# Altium PCB TE0890.PcbDoc (part 1 of 2) (continued)
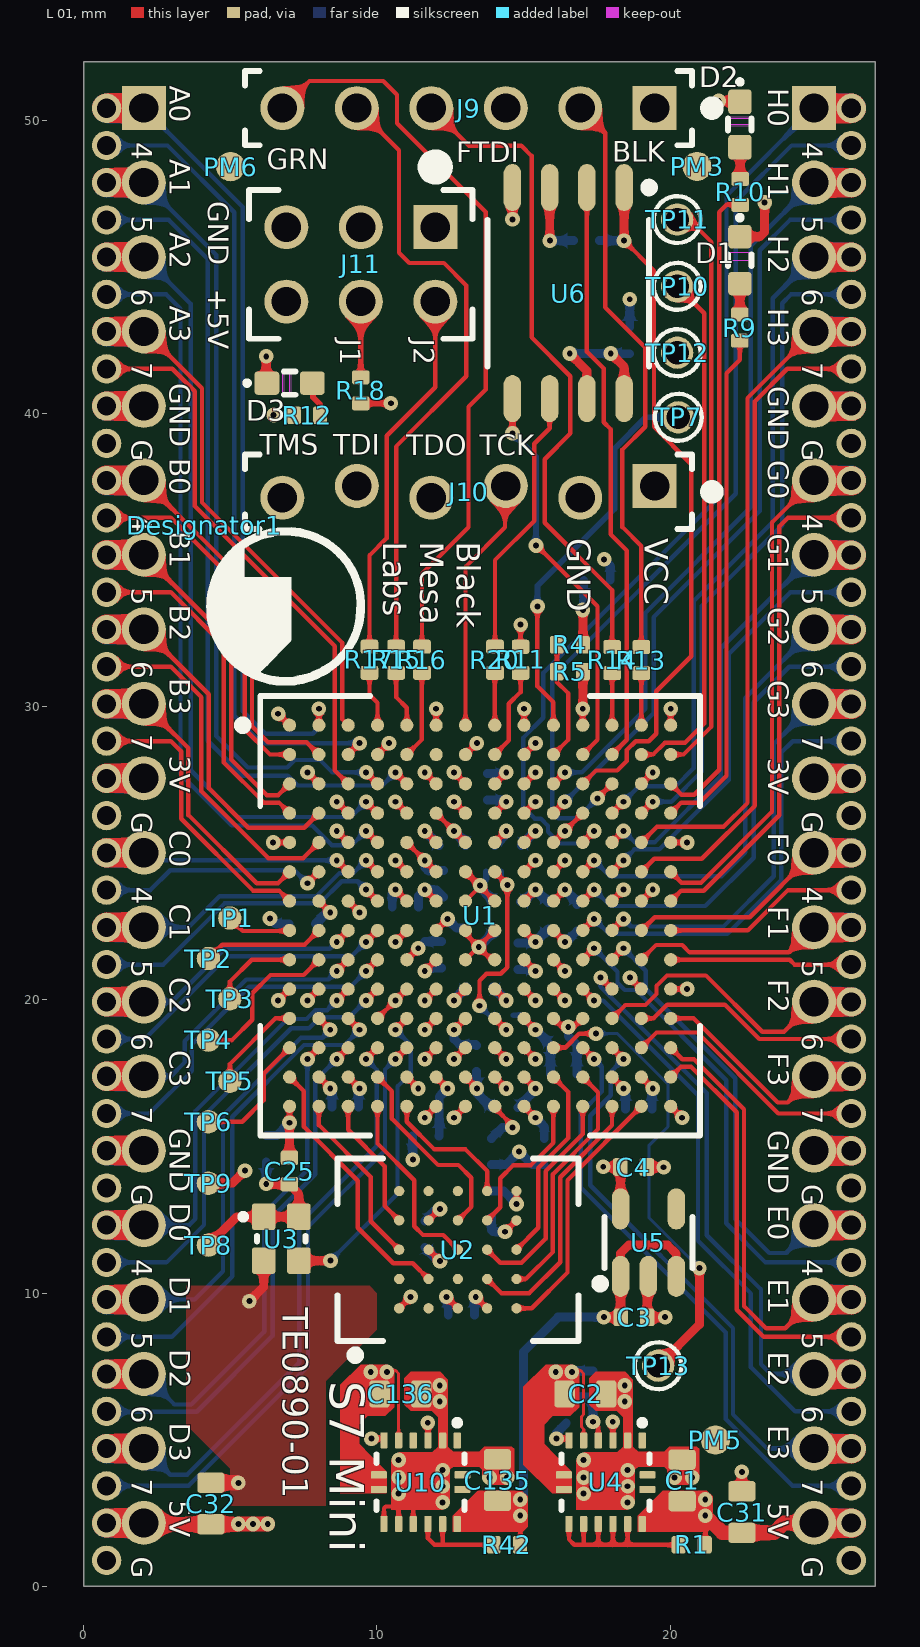
[diagram p0: L 01 view]
## Design rules (kind name [scope] priority, off if disabled: settings) (continued)
PolygonConnect [All] p5: connectstyle=Relief reliefconductorwidth=0.2 reliefentries=4 polygonreliefangle="90 Angle" airgapwidth=0.2
RoutingLayers "RoutingLayers_impedance control" [(InDifferentialPairClass('All Differential Pairs') OR InNetClass('D100-15') OR InNetClass('D100-25') OR InNetClass('D100-33') OR InNetClass('S50') OR InNetClass('S50-25') OR InNetClass('S50-33') OR InNetClass('S60-15'))] p1: top layer_v5=TRUE mid layer 1_v5=TRUE mid layer 2_v5=TRUE mid layer 3_v5=TRUE mid layer 6_v5=TRUE bottom layer_v5=TRUE
RoutingLayers [All] p2: top layer_v5=TRUE mid layer 1_v5=TRUE mid layer 2_v5=TRUE mid layer 3_v5=TRUE mid layer 6_v5=TRUE bottom layer_v5=TRUE
RoutingVias [All] p1: holewidth=0.2 width=0.5 viastyle="Through Hole" minholewidth=0.2 minwidth=0.5 maxholewidth=1 maxwidth=1.5
SMDNeckDown SMDNeckDown_80% [All] p1: percent=95.000
SMDToPlane [All] p1: distance=39370
SilkToBoardRegionClearance [All] p1 off:
SilkToSilkClearance [All] p1: silktosilkclearance=0.01
SilkToSolderMaskClearance SilkscreenOverComponentPads [IsPad] p1: minsilkscreentomaskgap=0.01 clearancetoexposedcopper=TRUE
SolderMaskExpansion SolderMaskExpansion_Via [IsVia] p1: expansion=-0.15
SolderMaskExpansion [All] p2: expansion=0
Width Width_S40 [InNetClass('DDR_S40')] p1: maxlimit=0.254 minlimit=0.1 preferedwidth=0.254 toplayer_maxwidth=0.15 toplayer_prefwidth=0.15 midlayer1_maxwidth=0.18 midlayer1_prefwidth=0.18 midlayer2_minwidth=0.15 midlayer3_minwidth=0.15 midlayer6_minwidth=0.15 bottomlayer_maxwidth=0.15 bottomlayer_prefwidth=0.15 minimp=50.000000 maximp=50.000000 favimp=50.000000
Width Logo [(InComponent('LOGO*'))] p2: maxlimit=0.254 minlimit=0.001 preferedwidth=0.254 // Protel DXP Scope 1 Expression Was: (InComponent('LOGO?'))
Width All [All] p3: maxlimit=3 minlimit=0.1 preferedwidth=0.2 toplayer_prefwidth=0.1 midlayer1_prefwidth=0.1 midlayer2_prefwidth=0.1 midlayer6_prefwidth=0.1 bottomlayer_prefwidth=0.1 minimp=50.000000 maximp=50.000000 favimp=50.000000
13 further rules are at their usual default settings.

## Classes and differential pairs
net class DIP80: PORT_A0 PORT_A1 PORT_A2 PORT_A3 PORT_A4 PORT_A5 PORT_A6 PORT_A7 PORT_B0 PORT_B1 PORT_B2 PORT_B3 PORT_B4 PORT_B5 PORT_B6 PORT_B7 PORT_C0 PORT_C1 PORT_C2 PORT_C3 PORT_C4 PORT_C5 PORT_C6 PORT_C7 PORT_D0 PORT_D1 PORT_D2 PORT_D3 PORT_D4 PORT_D5 PORT_D6 PORT_D7 PORT_E0 PORT_E1 PORT_E2 PORT_E3 PORT_E4 PORT_E5 PORT_E6 PORT_E7 PORT_F0 PORT_F1 PORT_F2 PORT_F3 PORT_F4 PORT_F5 PORT_F6 PORT_F7 PORT_G0 PORT_G1 PORT_G2 PORT_G3 PORT_G4 PORT_G5 PORT_G6 PORT_G7 PORT_H0 PORT_H1 PORT_H2 PORT_H3 PORT_H4 PORT_H5 PORT_H6 PORT_H7
net class DIP40: PORT_A0 PORT_A1 PORT_A2 PORT_A3 PORT_B0 PORT_B1 PORT_B2 PORT_B3 PORT_C0 PORT_C1 PORT_C2 PORT_C3 PORT_D0 PORT_D1 PORT_D2 PORT_D3 PORT_E0 PORT_E1 PORT_E2 PORT_E3 PORT_F0 PORT_F1 PORT_F2 PORT_F3 PORT_G0 PORT_G1 PORT_G2 PORT_G3 PORT_H0 PORT_H1 PORT_H2 PORT_H3
component class Flash_RAM: C26 C27 C28 C29 R19 R20 U2 U6
component class FPGA: C30 R4 R5 TP7 TP13 U1 U3
component class A-Headers: D1 D2 D3 J1 J2 J3 J4 J9 J10 J11 Jx R9 R10 R12 R13 R14 R15 R16 R17 R18 TP1 TP2 TP3 TP4 TP5 TP6 TP8 TP9 TP10 TP11 TP12
component class TE0890: PM1 PM2 PM3 PM4 PM5 PM6 Serial
component class PowerSupply: C1 C2 C3 C4 C31 C32 C135 C136 R1 R2 R3 R42 U4 U5 U10
component class FPGA_MISC: C5 C6 C7 C8 C9 C10 C11 C12 C13 C14 C15 C16 C17 C18 C19 C20 C21 C22 C23 C24 C25 C33 L1 R6 R7 R8 R11

## Components (designator, comment, footprint, x,y, rotation, side; value= is the part's Value field where it differs from the comment)
C1 "10µF" CAPC1608X90N 20.41,3.61 r270 top value=10u
C2 "10µF" CAPC1608X90N 17.11,6.56 r180 top value=10u
C3 "1µF" CAPC1005X55N 18.77,9.17 r0 top value=1u
C4 "1µF" CAPC1005X55N 18.75,14.3 r0 top value=1u
C5 "1µF" CAPC1005X55N 13.5,22.45 r0 bottom value=1u
C6 "1µF" CAPC1005X55N 15.85,22.875 r270 bottom value=1u
C7 "100nF" CAPC1005X55N 13.51,20.44 r180 bottom value=100n
C8 "100nF" CAPC1005X55N 14.81,21.49 r90 bottom value=100n
C9 "100nF" CAPC1005X55N 12.2,21.54 r270 bottom value=100n
C10 "100nF" CAPC1005X55N 10.97,23.16 r0 bottom value=100n
C11 "100nF" CAPC1005X55N 12.28,23.96 r270 bottom value=100n
C12 "100nF" CAPC1005X55N 12.57,25.27 r180 bottom value=100n
C13 "100nF" CAPC1005X55N 14.45,23.35 r180 bottom value=100n
C14 "100nF" CAPC1005X55N 14.47,25.27 r180 bottom value=100n
C15 "100nF" CAPC1005X55N 13.77,27.27 r90 bottom value=100n
C16 "1µF" CAPC1005X55N 18.93,16.28 r180 bottom value=1u
C17 "100nF" CAPC1005X55N 17.508,34.314 r0 bottom value=100n
C18 "100nF" CAPC1005X55N 14.35,16.325 r0 bottom value=100n
C19 "100nF" CAPC1005X55N 7.45,22.6 r180 bottom value=100n
C20 "100nF" CAPC1005X55N 6.225,14.925 r90 bottom value=100n
C21 "100nF" CAPC1005X55N 8.922,16.338 r0 bottom value=100n
C22 "1µF" CAPC1005X55N 16.37,17.47 r0 bottom value=1u
C23 "100nF" CAPC1005X55N 16.35,18.49 r0 bottom value=100n
C24 "100nF" CAPC1005X55N 16.825,22.8 r90 bottom value=100n
C25 "100nF" CAPC1005X55N 7.016,14.161 r90 top value=100n
C26 "1µF" CAPC1005X55N 12.88,9.25 r180 bottom value=1u
C27 "100nF" CAPC1005X55N 11.63,12.01 r270 bottom value=100n
C28 "100nF" CAPC1005X55N 13.91,13.03 r90 bottom value=100n
C29 "100nF" CAPC1005X55N 11.667,15.36 r180 bottom value=100n
C30 "100nF" CAPC1005X55N 18.623,42.493 r90 bottom value=100n
C31 "10µF" CAPC1608X90N 22.449,2.531 r270 top value=10u
C32 "10µF" CAPC1608X90N 4.337,2.821 r270 top value=10u
C33 "470nF" CAPC0603X33N 13.977,24.375 r180 bottom value=470n
C135 "10µF" CAPC1608X90N 14.11,3.62 r270 top value=10u
C136 "10µF" CAPC1608X90N 10.8,6.56 r180 top value=10u
D1 "LED Red 19-213/R6C-AL1M2VY/3T" LEDC1608X55N_RED 22.38,45.233 r270 top
D2 "LED Red 19-213/R6C-AL1M2VY/3T" LEDC1608X55N_RED 22.38,49.86 r270 top
D2 "LED Green 19-213/R6C-AL1M2VY/3T" LEDC1608X55N_GREEN 22.38,49.86 r270 top
D3 "LED Green 19-213/R6C-AL1M2VY/3T" LEDC1608X55N_GREEN 7.02,41.04 r0 top
D3 "LED Red 19-213/R6C-AL1M2VY/3T" LEDC1608X55N_RED 7.02,41.04 r0 top
Designator1 "Klipper Graphic created 13.03.2017" OSH.bmp 7.632,28.973 r90 bottom
Designator1 "Klipper Graphic created 13.03.2017" BM.bmp 4.114,36.186 r270 top
J1 "Pin Header 2.54 1Row" "STIFTLEISTE2_54 OG 1R-20" 2.05,26.29 r270 bottom locked
J2 "Pin Header 2.54 1Row" "STIFTLEISTE2_54 OG 1R-20" 24.91,26.29 r270 bottom locked
J3 "Pin Header 1,27mm 1Row" "STIFTLEISTE1_27 OG 1R-40" 0.78,25.65 r270 bottom locked
J4 "Pin Header 1,27mm 1Row" "STIFTLEISTE1_27 OG 1R-40" 26.18,25.65 r270 bottom locked
J9 "Pin Header 2.54 1Row 6Pins" "STIFTLEISTE2_54 OG 1R-6" 13.125,50.42 r180 top locked
J10 "Placeholder 1 row 6 pin header" "STIFTLEISTE2_54 OG 1R-6V" 13.125,37.33 r180 top locked
J11 "Pin Header 2.54 2Row 6Pins" "STIFTLEISTE2_54 OG 2R-6" 9.45,45.09 r180 top locked
L1 "BKP0603HS121-T" INDC0603X33N 14.4,19.475 r180 bottom
PM1 "FIDU-DOT - mini" "FIDU-DOT - mini" 22.578,1.717 r90 bottom
PM2 "FIDU-DOT - mini" "FIDU-DOT - mini" 4.562,51.116 r90 bottom
PM3 "FIDU-DOT - mini" "FIDU-DOT - mini" 20.918,48.429 r90 top
PM4 "FIDU-DOT - mini" "FIDU-DOT - mini" 20.918,48.429 r90 bottom
PM5 "FIDU-DOT - mini" "FIDU-DOT - mini" 21.547,4.987 r90 top
PM6 "FIDU-DOT - mini" "FIDU-DOT - mini" 5.007,48.423 r90 top
R1 "100R" RESC1005X40N 20.738,1.413 r180 top value=100
R2 "237K" RESC1005X40N 17.37,6.9 r270 bottom
R3 "357K" RESC1005X40N 16.46,6.01 r270 bottom value=357k
R4 "1K" RESC1005X40N 16.582,32.111 r180 top
R5 "DNP" RESC1005X40N 16.581,31.193 r0 top
R6 "4K99" RESC1005X40N 13.91,14.83 r90 bottom value=4.99K
R7 "330R" RESC1005X40N 15.71,14.821 r90 bottom value=330
R8 "4K99" RESC1005X40N 13.4,18 r90 bottom value=4.99K
R9 "2K" RESC1005X40N 22.38,42.93 r90 top
R10 "2K" RESC1005X40N 22.39,47.56 r90 top
R11 "0R" RESC1005X40N 14.9,31.6 r270 top value=0
R12 "2K" RESC1005X40N 7.617,39.94 r0 top
R13 "330R" RESC1005X40N 19.02,31.59 r270 top value=330
R14 "330R" RESC1005X40N 18.021,31.59 r270 top value=330
R15 "330R" RESC1005X40N 10.653,31.6 r270 top value=330
R16 "330R" RESC1005X40N 11.537,31.603 r270 top value=330
R17 "330R" RESC1005X40N 9.745,31.603 r270 top value=330
R18 "330R" RESC1005X40N 9.449,40.792 r270 top value=330
R19 "2K" RESC1005X40N 17.15,45.9 r0 bottom
R20 "33R" RESC1005X40N 14.027,31.603 r90 top value=33
R42 "100R" RESC1005X40N 14.428,1.413 r180 top value=100
Serial "Serialnumber 6,3 x 6.3mm" Serial_6.3x6.3mm 19.02,27.37 r90 bottom
TP1 "Testpoint 0.8mm" TP_0.8mm 4.984,22.793 r90 top
TP2 "Testpoint 0.8mm" TP_0.8mm 4.253,21.412 r90 top
TP3 "Testpoint 0.8mm" TP_0.8mm 4.984,20.037 r90 top
TP4 "Testpoint 0.8mm" TP_0.8mm 4.253,18.629 r90 top
TP5 "Testpoint 0.8mm" TP_0.8mm 4.984,17.224 r90 top
TP6 "Testpoint 0.8mm" TP_0.8mm 4.253,15.846 r90 top
TP7 "Testpoint 0.8mm THT" TP_0.8mm_THT 20.278,39.872 r90 top
TP8 "Testpoint 0.8mm" TP_0.8mm 4.253,11.637 r90 top
TP9 "Testpoint 0.8mm" TP_0.8mm 4.253,13.746 r90 top
TP10 "Testpoint 0.8mm THT" TP_0.8mm_THT 20.242,44.339 r180 top
TP11 "Testpoint 0.8mm THT" TP_0.8mm_THT 20.242,46.616 r180 top
TP12 "Testpoint 0.8mm THT" TP_0.8mm_THT 20.242,42.077 r180 top
TP13 "Testpoint 0.8mm THT" TP_0.8mm_THT 19.595,7.522 r90 top
U1 "XC7S25-1FTGB196C" BGA196C100P14X14_1500X1500X155B50N 13.52,22.87 r0 top locked
U2 "IS66WVH8M8BLL-100B1LI" BGA25C100P5X5_800X600X120N 12.76,11.48 r90 top locked
U3 "SiT8008BI-73-XXS-100.000000E" 2016 6.737,11.854 r0 top value=100M
U4 "EP53A7LQI" EP53F8QI 17.8,3.55 r270 top
U5 "TLV73318PDBVR" SOT95P280X145-5N 19.26,11.72 r90 top
U6 "N25Q064A13ESE40F" SOIC127P790X191-8N 16.527,44.11 r270 top
U10 "EP53A7HQI" EP53F8QI 11.49,3.55 r270 top

## Footprints (in the part's own frame and the unit in brackets; to place one, negate y for a bottom-side part, rotate by r counter-clockwise, add the part's x,y. Pads: shape width x height; smd on the part's side, far side on the other; paste and mask are expansions set on the pad)
2016 [mm]
  rrect20% 0.8x0.9 smd: 1(-0.6,0.75) 2(-0.6,-0.75) 3(0.6,-0.75) 4(0.6,0.75)
  silkscreen extent -1.4,-0.1 0.82,0.85, body extent -0.82,-1.02 0.82,1.03, height 0.81
BGA25C100P5X5_800X600X120N [mm]
  round 0.35 smd: A1(-2,2) A2(-1,2) A3(0,2) A4(1,2) A5(2,2) B1(-2,1) B2(-1,1) B3(0,1) B4(1,1) B5(2,1) C1(-2,0) C2(-1,0) C3(0,0) C4(1,0) C5(2,0) D1(-2,-1) D2(-1,-1) D3(0,-1) D4(1,-1) D5(2,-1) E1(-2,-2) E2(-1,-2) E3(0,-2) E4(1,-2) E5(2,-2)
  silkscreen extent -3.75,-4.11 3.11,4.11, body extent -3.05,-4.05 3.05,4.05, height 1.21
BGA196C100P14X14_1500X1500X155B50N [mm] "Ball Grid Array (BGA), 1.00 mm pitch, square; 196 pin, 15.00 mm L X 15.00 mm W X 1.55 mm H body"
  round 0.45 smd: A1(-6.5,6.5) A2(-5.5,6.5) A3(-4.5,6.5) A4(-3.5,6.5) A5(-2.5,6.5) A6(-1.5,6.5) A7(-0.5,6.5) A8(0.5,6.5) A9(1.5,6.5) A10(2.5,6.5) A11(3.5,6.5) A12(4.5,6.5) A13(5.5,6.5) A14(6.5,6.5) B1(-6.5,5.5) B2(-5.5,5.5) B3(-4.5,5.5) B4(-3.5,5.5) B5(-2.5,5.5) B6(-1.5,5.5) B7(-0.5,5.5) B8(0.5,5.5) B9(1.5,5.5) B10(2.5,5.5) B11(3.5,5.5) B12(4.5,5.5) B13(5.5,5.5) B14(6.5,5.5) C1(-6.5,4.5) C2(-5.5,4.5) C3(-4.5,4.5) C4(-3.5,4.5) C5(-2.5,4.5) C6(-1.5,4.5) C7(-0.5,4.5) C8(0.5,4.5) C9(1.5,4.5) C10(2.5,4.5) C11(3.5,4.5) C12(4.5,4.5) C13(5.5,4.5) C14(6.5,4.5) D1(-6.5,3.5) D2(-5.5,3.5) D3(-4.5,3.5) D4(-3.5,3.5) D5(-2.5,3.5) D6(-1.5,3.5) D7(-0.5,3.5) D8(0.5,3.5) D9(1.5,3.5) D10(2.5,3.5) D11(3.5,3.5) D12(4.5,3.5) D13(5.5,3.5) D14(6.5,3.5) E1(-6.5,2.5) E2(-5.5,2.5) E3(-4.5,2.5) E4(-3.5,2.5) E5(-2.5,2.5) E6(-1.5,2.5) E7(-0.5,2.5) E8(0.5,2.5) E9(1.5,2.5) E10(2.5,2.5) E11(3.5,2.5) E12(4.5,2.5) E13(5.5,2.5) E14(6.5,2.5) F1(-6.5,1.5) F2(-5.5,1.5) F3(-4.5,1.5) F4(-3.5,1.5) F5(-2.5,1.5) F6(-1.5,1.5) F7(-0.5,1.5) F8(0.5,1.5) F9(1.5,1.5) F10(2.5,1.5) F11(3.5,1.5) F12(4.5,1.5) F13(5.5,1.5) F14(6.5,1.5) G1(-6.5,0.5) G2(-5.5,0.5) G3(-4.5,0.5) G4(-3.5,0.5) G5(-2.5,0.5) G6(-1.5,0.5) G7(-0.5,0.5) G8(0.5,0.5) G9(1.5,0.5) G10(2.5,0.5) G11(3.5,0.5) G12(4.5,0.5) G13(5.5,0.5) G14(6.5,0.5) H1(-6.5,-0.5) H2(-5.5,-0.5) H3(-4.5,-0.5) H4(-3.5,-0.5) H5(-2.5,-0.5) H6(-1.5,-0.5) H7(-0.5,-0.5) H8(0.5,-0.5) H9(1.5,-0.5) H10(2.5,-0.5) H11(3.5,-0.5) H12(4.5,-0.5) H13(5.5,-0.5) H14(6.5,-0.5) J1(-6.5,-1.5) J2(-5.5,-1.5) J3(-4.5,-1.5) J4(-3.5,-1.5) J5(-2.5,-1.5) J6(-1.5,-1.5) J7(-0.5,-1.5) J8(0.5,-1.5) J9(1.5,-1.5) J10(2.5,-1.5) J11(3.5,-1.5) J12(4.5,-1.5) J13(5.5,-1.5) J14(6.5,-1.5) K1(-6.5,-2.5) K2(-5.5,-2.5) K3(-4.5,-2.5) K4(-3.5,-2.5) K5(-2.5,-2.5) K6(-1.5,-2.5) K7(-0.5,-2.5) K8(0.5,-2.5) K9(1.5,-2.5) K10(2.5,-2.5) K11(3.5,-2.5) K12(4.5,-2.5) K13(5.5,-2.5) K14(6.5,-2.5) L1(-6.5,-3.5) L2(-5.5,-3.5) L3(-4.5,-3.5) L4(-3.5,-3.5) L5(-2.5,-3.5) L6(-1.5,-3.5) L7(-0.5,-3.5) L8(0.5,-3.5) L9(1.5,-3.5) L10(2.5,-3.5) L11(3.5,-3.5) L12(4.5,-3.5) L13(5.5,-3.5) L14(6.5,-3.5) M1(-6.5,-4.5) M2(-5.5,-4.5) M3(-4.5,-4.5) M4(-3.5,-4.5) M5(-2.5,-4.5) M6(-1.5,-4.5) M7(-0.5,-4.5) M8(0.5,-4.5) M9(1.5,-4.5) M10(2.5,-4.5) M11(3.5,-4.5) M12(4.5,-4.5) M13(5.5,-4.5) M14(6.5,-4.5) N1(-6.5,-5.5) N2(-5.5,-5.5) N3(-4.5,-5.5) N4(-3.5,-5.5) N5(-2.5,-5.5) N6(-1.5,-5.5) N7(-0.5,-5.5) N8(0.5,-5.5) N9(1.5,-5.5) N10(2.5,-5.5) N11(3.5,-5.5) N12(4.5,-5.5) N13(5.5,-5.5) N14(6.5,-5.5) P1(-6.5,-6.5) P2(-5.5,-6.5) P3(-4.5,-6.5) P4(-3.5,-6.5) P5(-2.5,-6.5) P6(-1.5,-6.5) P7(-0.5,-6.5) P8(0.5,-6.5) P9(1.5,-6.5) P10(2.5,-6.5) P11(3.5,-6.5) P12(4.5,-6.5) P13(5.5,-6.5) P14(6.5,-6.5)
  silkscreen extent -8.25,-7.5 7.5,7.5, body extent -7.5,-7.5 7.5,7.5, height 1.55
BM.bmp [mm]
  silkscreen extent 0.07,0.07 5.46,5.48
CAPC0603X33N [mm]
  rrect33% 0.3x0.33 smd: 1(-0.252,0) 2(0.252,0)
  body extent -0.3,-0.15 0.3,0.15, height 0.29
CAPC1005X55N [mm] "Vishay VJ0402 1 x 0.5mm (+/- 0.05), 0.25mm +0.05/-0.1mm Kontakte"
  rrect33% 0.5x0.6 smd: 1(-0.45,0) 2(0.45,0)
  body extent -0.5,-0.25 0.5,0.25, height 0.5
CAPC1608X90N [mm] "Vishay VJ0603 1.6 x 0.8 (+0.15/-0.1) 0.4 +/- 0,15mm Kontakte"
  rrect33% 0.7x0.93 smd: 1(-0.71,0) 2(0.71,0)
  body extent -0.8,-0.4 0.8,0.4, height 0.8
EP53F8QI [mm]
  rrect33% 0.55x0.25 smd: 1(-1.425,1.25) 2(-1.425,0.75) 3(-1.425,0.25) 4(-1.425,-0.25) 5(-1.425,-0.75) 6(-1.425,-1.25) 9(1.425,-1.25) 10(1.425,-0.75) 11(1.425,-0.25) 12(1.425,0.25) 13(1.425,0.75) 14(1.425,1.25)
  rrect33% 0.25x0.55 smd: 7(-0.25,-1.425) 8(0.25,-1.425) 15(0.25,1.425) 16(-0.25,1.425)
  silkscreen extent -2.12,-1.5 0.95,1.5, body extent -1.5,-1.5 1.5,1.5, height 1.15
"FIDU-DOT - mini" [mm]
  round 1 smd paste-1: 0(0,0)
INDC0603X33N [mm]
  rrect33% 0.3x0.33 smd: 1(-0.252,0) 2(0.252,0)
  body extent -0.3,-0.15 0.3,0.15, height 0.33
LEDC1608X55N_GREEN [mm] "Chip Inductor, 2-Leads, Body 1,6x0,8mm"
  rrect30% 0.8x0.8 smd: A(0.75,0) K(-0.75,0)
  L 01 keep-out region: -0.2,-0.35 0.05,-0.35 0.05,0.35 -0.2,0.35
  silkscreen extent -1.49,-0.4 0.2,0.4, body extent -0.83,-0.41 0.83,0.41, height 0.56
LEDC1608X55N_RED [mm] "Chip Inductor, 2-Leads, Body 1,6x0,8mm"
  rrect30% 0.8x0.8 smd: A(0.8,0) K(-0.8,0)
  L 01 keep-out region: -0.25,-0.35 0,-0.35 0,0.35 -0.25,0.35
  silkscreen extent -1.49,-0.4 0.2,0.4, body extent -0.83,-0.41 0.83,0.41, height 0.56
OSH.bmp [mm]
  silkscreen extent 0,0.01 7.2,6.49
RESC1005X40N [mm] "Vishay D0402 1 x 0.5mm (+/- 0.05), 0.2mm +/-0.1mm Kontakte"
  rrect33% 0.48x0.6 smd: 1(-0.445,0) 2(0.445,0)
  body extent -0.5,-0.25 0.5,0.25, height 0.35
Serial_6.3x6.3mm [mm]
  silkscreen extent -3.3,-3.3 3.3,3.3, body extent -3,-3 3,3, height 0.21
SOIC127P790X191-8N [mm]
  oval 1.6x0.6 smd: 1(-3.6,1.905) 2(-3.6,0.635) 3(-3.6,-0.635) 4(-3.6,-1.905) 5(3.6,-1.905) 6(3.6,-0.635) 7(3.6,0.635) 8(3.6,1.905)
  silkscreen extent -3.75,-2.75 2.5,2.91, body extent -4.05,-2.73 4.05,2.73, height 1.75
SOT95P280X145-5N [mm]
  oval 1.4x0.6 smd: 1(-1.15,0.95) 2(-1.15,0) 3(-1.15,-0.95) 4(1.15,-0.95) 5(1.15,0.95)
  silkscreen extent -1.55,-1.5 0.87,1.8, body extent -1.4,-1.45 1.4,1.45, height 1.45
"STIFTLEISTE1_27 OG 1R-40" [mm]
  round 1 hole 0.65: 1(-24.765,0) 2(-23.495,0) 3(-22.225,0) 4(-20.955,0) 5(-19.685,0) 6(-18.415,0) 7(-17.145,0) 8(-15.875,0) 9(-14.605,0) 10(-13.335,0) 11(-12.065,0) 12(-10.795,0) 13(-9.525,0) 14(-8.255,0) 15(-6.985,0) 16(-5.715,0) 17(-4.445,0) 18(-3.175,0) 19(-1.905,0) 20(-0.635,0) 21(0.635,0) 22(1.905,0) 23(3.175,0) 24(4.445,0) 25(5.715,0) 26(6.985,0) 27(8.255,0) 28(9.525,0) 29(10.795,0) 30(12.065,0) 31(13.335,0) 32(14.605,0) 33(15.875,0) 34(17.145,0) 35(18.415,0) 36(19.685,0) 37(20.955,0) 38(22.225,0) 39(23.495,0) 40(24.765,0)
"STIFTLEISTE2_54 OG 1R-6" [mm]
  rect 1.5x1.5 hole 1: 1(-6.35,0)
  round 1.5 hole 1: 2(-3.81,0) 3(-1.27,0) 4(1.27,0) 5(3.81,0) 6(6.35,0)
  silkscreen extent -8.5,-1.27 7.62,1.27, body extent -7.52,-1.27 7.72,1.23, height 8.2
"STIFTLEISTE2_54 OG 1R-6V" [mm]
  rect 1.5x1.5 hole 1: 1(-6.35,-0.2)
  round 1.5 hole 1: 2(-3.81,0.2) 3(-1.27,-0.2) 4(1.27,0.2) 5(3.81,-0.2) 6(6.35,0.2)
  silkscreen extent -8.5,-1.27 7.62,1.27, body extent -7.52,-1.27 7.72,1.23, height 8.2
"STIFTLEISTE2_54 OG 1R-20" [mm]
  rect 1.5x1.5 hole 1: 1(-24.13,0)
  round 1.5 hole 1: 2(-21.59,0) 3(-19.05,0) 4(-16.51,0) 5(-13.97,0) 6(-11.43,0) 7(-8.89,0) 8(-6.35,0) 9(-3.81,0) 10(-1.27,0) 11(1.27,0) 12(3.81,0) 13(6.35,0) 14(8.89,0) 15(11.43,0) 16(13.97,0) 17(16.51,0) 18(19.05,0) 19(21.59,0) 20(24.13,0)
  silkscreen extent -26.28,-1.27 25.4,1.27
"STIFTLEISTE2_54 OG 2R-6" [mm]
  rect 1.5x1.5 hole 1: 1(-2.54,-1.27)
  round 1.5 hole 1: 2(-2.54,1.27) 3(0,-1.27) 4(0,1.27) 5(2.54,-1.27) 6(2.54,1.27)
  silkscreen extent -3.81,-3.62 3.81,2.54, body extent -3.81,-2.54 3.81,2.54, height 8.5
TP_0.8mm [mm]
  round 0.8 smd paste-1: 1(0,0)
TP_0.8mm_THT [mm]
  round 1.1 hole 0.8 paste-1: 1(0,0)
  silkscreen extent -0.8,-0.8 0.8,0.8

## Part data
C1 C2 C31 C32 C135 C136: library part 25341, "KON 10µF 16V X5R 20% SMD BF 1608 (0603)", Case="1608 (0603)", Temperature-Range=-55/+85, Tolerance=20%, Voltage=16V, AN=25341, Mixed=SMT, Preferred=Yes, Technology=X5R
C3 C4 C5 C6 C16 C22 C26: library part 26579, "KON 1µF 16V X5R 10% SMD BF 1005 (0402)", Case="1005 (0402)", Temperature-Range=-55/+85, Tolerance=10%, Voltage=16V, AN=26579, Mixed=SMT, Technology=X5R
C7 C8 C9 C10 C11 C12 C13 C14 C15 C17 C18 C19 C20 C21 C23 C24 C25 C27 C28 C29 C30: library part 22472, "KON 100nF 25V X5R ±10% SMD BF 1005 (0402)", Case="1005 (0402)", Temperature-Range=-55/+85, Voltage=25V, AN=22472, Mixed=SMT, Preferred=Yes, Technology=X5R
C33: library part 24921, "KON 470nF 6.3V X5R 20%  SMD BF 0603 (0201)", Case="0603 (0201)", Temperature-Range=-55/+85, Tolerance=20%, Voltage=6.3V, AN=24921, Mixed=SMT, Preferred=Yes, Technology=X5R
D1 D2 D3: library part 28261, "Chip LED 0603 Briliant Red", Case="1608 (0603)", AN=28261, H-ART=19-213/R6C-AL1M2VY/3T, HelpURL=b:\AD\adlib\datasheet\19-213-R6C\, Mixed=SMT
D2 D3: library part 28262, "Chip LED 0603 Briliant Green", Case="1608 (0603)", Temperature-Range="-40/+85 (Abs)", AN=28262, H-ART=19-213/G6C-BM1N2/DT, HelpURL=b:\AD\adlib\datasheet\19-213-G6C-BM1\, Mixed=SMT
Designator1 Designator1: "Regions created from graphic"
J1 J2: library part 29193, "Stiftleiste versetzt 1-reihig, 20pol.", Temperature-Range=-40/+125, AN=29193, H-ART=943-12-020-00, HelpURL=b:\AD\adlib\datasheet\W+P_943_944_945\, Mixed=THT
J3 J4: library part 29194, "Stiftleiste versetzt 1-reihig, 40pol.", Temperature-Range=-40/+125, AN=29194, H-ART=702-40-40-00, HelpURL=b:\AD\adlib\datasheet\W+P_702_703\, Mixed=THT
J9: library part 28042, "Stiftleiste gerade 1-reihig, 6pol", AN=28042, Mixed=THT
J10: library part 22911, "Stiftleiste versetzt 1-reihig, 6pol.", AN=22911, Mixed=THT, Trenz-Stock=Yes
J11: library part 22334, "Stiftleiste gerade 2-reihig, 6pol.", AN=22334, Mixed=THT, Trenz-Stock=Yes
L1: library part 25393, "Ferritdurchführung SMD 0201, BKP0603HS121-T", Case="0603 (0201)", Temperature-Range=-55/+85, Tolerance=25%, AN=25393, H-ART=BKP0603HS121-T, HelpURL="B:\AD\adlib\datasheet\MULTILAYER CHIP BEAD INDUCTORS BK", Mixed=SMT, Preferred=Yes, Trenz-Stock=Yes
PM1 PM2 PM3 PM4 PM5 PM6: library part 27037, "FIDU-DOT - MINI 0.5mm", AN=27037, Mixed=FIDU
R1 R42: library part 22507, "WID SMD 100R 1% 0,063W  BF 1005 (0402)", Case="1005 (0402)", Tolerance=1%, AN=22507, H-ART=RC0402FR-13100RL, Mixed=SMT, Preferred=Yes, Technology=TK100
R2: library part 24549, "WID SMD 237K 1% 0,063W", Case="1005 (0402)", Tolerance=1%, AN=24549, H-ART=RC0402FR-07237KL, Mixed=SMT, Preferred=Yes, Technology=TK100
R3: library part 25437, "WID SMD 357K 1% 0,063W", Case="1005 (0402)", Tolerance=1%, AN=25437, Mixed=SMT, Preferred=Yes, Technology=TK100
R4: library part 22752, "WID SMD 1K 1% 0,063W  BF 1005 (0402)", Case="1005 (0402)", Tolerance=1%, AN=22752, H-ART=RC0402FR-071KL, Mixed=SMT, Preferred=Yes, Technology=TK100
R5: library part 29416, "WID SMD BF 1005 (0402) DNP", Case="1005 (0402)", AN=29416
R6 R8: library part 22754, "WID SMD 4K99 1% 0,063W", Case="1005 (0402)", Tolerance=1%, AN=22754, H-ART=RC0402FR-074K99L, Mixed=SMT, Preferred=Yes, Technology=TK100
R7 R13 R14 R15 R16 R17 R18: library part 22762, "WID SMD 330R 1% 0,063W  BF 1005 (0402)", Case="1005 (0402)", Tolerance=1%, AN=22762, H-ART=RC0402FR-13330RL, Mixed=SMT, Preferred=Yes, Technology=TK100
R9 R10 R12 R19: library part 25073, "WID SMD 2K 1% 0,063W", Case="1005 (0402)", Tolerance=1%, AN=25073, H-ART=RC0402FR-072KL, Mixed=SMT, Technology=TK100
R11: library part 22738, "WID SMD 0R", Case="1005 (0402)", Tolerance=1%, AN=22738, H-ART=RC0402JR-070RL, Mixed=SMT, Preferred=Yes, Technology=TK100
R20: library part 22770, "WID SMD 33R 1% 0,063W BF 1005 (0402)", Case="1005 (0402)", Tolerance=1%, AN=22770, H-ART=RC0402FR-0733RL, Mixed=SMT, Preferred=Yes, Technology=TK100
Serial: library part 26753, AN=26753, H-ART=39068, Mixed=MECH
TP1 TP2 TP3 TP4 TP5 TP6 TP8 TP9: library part 26289, AN=26289, Mixed=MECH
TP7 TP10 TP11 TP12 TP13: library part 27481, "Testpoint 0.8mm TH", AN=27481
U1: library part 29276, Case=FTGB196, Temperature-Range=0/+85, AN=29276, H-ART=XC7S25-1FTGB196C, HelpURL=B:\AD\adlib\datasheet\XC7, Mixed=SMT
U2: library part 29136, Case=BGA25, Temperature-Range=-40/+85, AN=29136, H-ART=IS66WVH8M8BLL-100B1LI, HelpURL=b:\AD\adlib\datasheet\IS6xWVH8M8\, Mixed=SMT
U3: library part 25961, "SiT8008BI-73-XXS-100.000000E MEMS Oszillator 100MHz", Case="2.0  x 1.6mm", AN=25961, H-ART=SiT8008BI-73-XXS-100.000000E, HelpURL=B:\AD\adlib\datasheet\SiT8008, Mixed=SMT, Preferred=Yes, Trenz-Stock=Yes
U4: library part 28280, Case=QFN16, AN=28280, H-ART=EP53A7LQI, HelpURL=B:\AD\adlib\datasheet\EP53A7HQI, Mixed=SMT, Preferred=Yes, Trenz-Stock=Yes
U5: library part 28418, "TLV73318PDBV", Case=SOT23-3, Voltage=1.8V, AN=28418, H-ART=TLV73318PDBV, HelpURL=b:\AD\adlib\datasheet\TLV733xx\, Mixed=SMT
U6: library part 25582, "N25Q064A13ESE40 64MBit Serial Flash", Case="SO8W 208-mil (SS)", AN=25582, H-ART=N25Q064A13ESE40F, HelpURL=B:\AD\adlib\datasheet\N25Q064A, Mixed=SMT
U10: library part 27996, Case=QFN16, AN=27996, H-ART=EP53A7HQI, HelpURL=B:\AD\adlib\datasheet\EP53A7HQI, Mixed=SMT, Preferred=Yes, Trenz-Stock=Yes

## Via types
v1: diameter 0.5, hole 0.2, L 01 to L 06, 201 vias

## Nets (pads, with @x,y where several pads share a name; then routed paths per layer and width w, separated by ;. In a path a pad name is that pad's centre, name@x,y a point inside that pad or via, vN(x,y) a via of type N, cw(c..) or ccw(c..) an arc to the next point about the centre after c; other vN are vias at no path point)
1.0V: C2.2 C5.1 C6.1 C7.1 C8.1 C9.1 C10.1 C11.1 C12.1 C13.1 C14.1 C15.1 R2.1 U1.D6 U1.D8 U1.E5 U1.E7 U1.E9 U1.F6 U1.G5 U1.G9 U1.H6 U1.J5 U1.J9 U1.K6 U1.K8 U4.5 U4.7 U4.8 | length 40
  L 01 w0.1: v1(16.65,7.309) 16.7,7.359 16.95,7.359 17.05,7.259 17.05,5.854 16.971,5.775 16.971,5.445 17.05,5.366 U4.5@17.05,5.034
  L 01 w0.15: v1@10.6,23.79 v1(10.63,23.76) U1.G5@11.02,23.37 ; U1.J5@11.02,21.37 v1(11.41,21.76) v1@11.44,21.79 ; U1.E5@11.02,25.37 v1(11.63,24.76) U1.F6@12.02,24.37 ; v1@11.6,19.95 v1(11.63,19.98) U1.K6@12.02,20.37 ; U1.H6@12.02,22.37 v1(12.41,22.76) v1@12.44,22.79 ; U1.D6@12.02,26.37 v1(12.63,25.76) U1.E7@13.02,25.37 ; U1.K8@14.02,20.37 v1(14.41,19.98) v1@14.44,19.95 ; U1.D8@14.02,26.37 v1(14.41,26.76) v1@14.44,26.79 ; U1.J9@15.02,21.37 v1(15.41,20.98) v1@15.44,20.95 ; U1.G9@15.02,23.37 v1(15.41,23.76) v1@15.44,23.79 ; U1.E9@15.02,25.37 v1(15.41,25.76) v1@15.44,25.79
  L 01 w0.2: v1(16.1,7.309) 16.205,7.414 16.406,7.414
  L 03 w0.15: v1(11.63,19.98) 12.35,20.7 12.35,21.3 11.89,21.76 v1(11.41,21.76) v1(12.41,22.76)
  L 03 w0.2: v1(15.41,20.98) 14.85,21.54 14.85,23.2 v1(15.41,23.76) ; v1@15.961,7.448 v1(16.1,7.309)
  L 03 w0.3: v1(11.41,21.76) 11.41,22.715 10.63,23.495 v1(10.63,23.76) v1(11.63,24.76) v1(12.63,25.76) 13.63,26.76 v1(14.41,26.76) v1(15.41,25.76) ; 12.35,20.7 12.375,20.675 13.715,20.675 v1(14.41,19.98) v1(15.41,20.98)
  L 06 w0.3: C10.1@10.52,23.16 10.52,23.65 v1(10.63,23.76) ; v1(11.41,21.76) 11.64,21.99 C9.1@12.2,21.99 ; v1(11.63,24.76) 11.63,24.52 11.74,24.41 C11.1@12.28,24.41 ; v1(12.41,22.76) 12.72,22.45 C5.1@13.05,22.45 ; v1(12.63,25.76) 13.02,25.37 C12.1@13.02,25.27 ; C15.1@13.77,26.82 14.35,26.82 v1(14.41,26.76) ; C7.1@13.96,20.44 13.96,20.43 v1(14.41,19.98) ; C8.1@14.81,21.04 15.35,21.04 v1(15.41,20.98) ; C13.1@14.9,23.35 15,23.35 v1(15.41,23.76) 15.415,23.76 C6.1@15.85,23.325 ; C14.1@14.92,25.27 v1(15.41,25.76) ; v1(16.65,7.309) 16.686,7.345 R2.1@17.37,7.345
1.8V: C4.1 C22.1 C23.1 C24.1 L1.1 U1.F10 U1.H10 U1.K10 U1.L9 U5.5 | length 7.6
  L 01 w0.15: U1.L9@15.02,19.37 v1(15.41,18.98) v1@15.44,18.95 ; U1.K10@16.02,20.37 v1(16.41,19.98) v1@16.44,19.95 ; U1.H10@16.02,22.37 v1(16.41,21.98) ; U1.F10@16.02,24.37 v1(16.41,24.76) v1@16.44,24.79
  L 01 w0.3: v1(17.72,14.31) 17.73,14.3 C4.1@18.3,14.3 18.31,14.29 U5.5@18.31,12.87
  L 06 w0.2: L1.1@14.652,19.475 14.915,19.475 v1(15.41,18.98)
  L 06 w0.3: v1(15.41,18.98) C23.1@15.9,18.49 15.92,18.47 C22.1@15.92,17.47 ; v1(16.41,21.98) 16.455,21.98 C24.1@16.825,22.35
3.3V: C16.1 C17.1 C18.1 C19.1 C20.1 C21.1 C25.1 C26.1 C27.1 C28.1 C29.1 C30.1 C136.2 J1.10 J2.10 J3.19 J4.19 J10.1 R4.1 R6.1 R7.1 R8.1 R19.1 TP8.1 U1.G2 U1.G13 U1.K2 U1.K13 U1.M7 U1.N2 U1.N6 U1.N7 U1.N8 U1.N13 U2.B4 U2.D1 U2.E4 U3.1 U3.4 U6.3 U6.7 U6.8 U10.5 U10.7 U10.8 | length 42.1
  L 01 w0.1: v1(10.34,7.309) 10.39,7.359 10.64,7.359 10.74,7.259 U10.5@10.74,5.034
  L 01 w0.15: v1@7.6,19.95 v1(7.63,19.98) U1.K2@8.02,20.37 ; U1.N2@8.02,17.37 v1(8.41,16.98) v1@8.44,16.95 ; U1.G2@8.02,23.37 v1(8.41,22.98) v1@8.44,22.95 ; U2.B4@11.76,12.48 v1(12.15,12.87) v1@12.18,12.9 ; U1.N6@12.02,17.37 v1(12.41,16.98) ; v1(12.63,17.98) U1.M7@13.02,18.37 ; U1.N7@13.02,17.37 v1(13.41,16.98) v1@13.44,16.95 ; v1@13.34,9.9 v1(13.37,9.87) U2.D1@13.76,9.48 ; U1.N8@14.02,17.37 v1(14.41,16.98) v1@14.44,16.95 ; v1@14.34,12.06 v1(14.37,12.09) U2.E4@14.76,12.48 ; v1@18.6,20.79 v1(18.63,20.76) U1.K13@19.02,20.37 ; U1.N13@19.02,17.37 v1(19.41,16.98) v1@19.44,16.95 ; U1.G13@19.02,23.37 v1(19.41,23.76) v1@19.44,23.79
  L 01 w0.2: v1(9.79,7.309) 9.895,7.414 10.096,7.414
  L 01 w0.3: TP8.1@4.253,11.637 5.22,12.604 U3.1@6.137,12.604 U3.4@7.337,12.604 7.337,13.39 C25.1@7.016,13.711 6.239,13.711 v1(6.225,13.725) ; U6.3@15.892,47.71 15.892,45.908 v1(15.9,45.9) ; v1(16.575,42.05) 17.162,41.463 U6.7@17.162,40.51 ; v1(17.025,33.3) 17.027,33.298 R4.1@17.027,32.111 ; v1(17.975,42.05) 18.432,41.593 U6.8@18.432,40.51
  L 01 w1: J3.19@0.78,27.56 J1.10@2.05,27.56 ; J2.10@24.91,27.55 J4.19@26.18,27.55
  L 06 w0.3: v1(6.225,13.725) C20.1@6.225,14.475 ; C19.1@7.9,22.6 8.28,22.98 v1(8.41,22.98) ; v1(8.41,16.98) 8.472,16.918 C21.1@8.472,16.338 ; C27.1@11.63,12.46 12.04,12.87 v1(12.15,12.87) ; C29.1@12.117,15.36 12.129,15.373 12.129,16.699 v1(12.41,16.98) ; C26.1@13.33,9.25 13.33,9.83 v1(13.37,9.87) ; R8.1@13.4,17.555 13.4,16.99 v1(13.41,16.98) 13.41,16.815 C18.1@13.9,16.325 ; C28.1@13.91,12.58 13.91,12.14 13.96,12.09 v1(14.37,12.09) ; R6.1@13.91,14.385 14.41,14.385 v1(14.85,14.825) 15.299,14.376 R7.1@15.71,14.376 ; v1(15.9,45.9) R19.1@16.705,45.9 ; v1(16.575,42.05) v1(17.975,42.05) 17.982,42.043 C30.1@18.623,42.043 ; v1(17.025,33.3) 17.058,33.333 C17.1@17.058,34.314 ; C16.1@19.38,16.28 19.38,16.95 v1(19.41,16.98)
  L 06 w1: J3.19@0.78,27.55 J1.10@2.05,27.55 ; J2.10@24.91,27.56 J4.19@26.18,27.56
5V: C1.2 C3.1 C31.2 C32.2 C135.2 J1.20 J2.20 J3.39 J4.39 J9.3 J11.6 R1.1 R12.1 R42.1 U4.14 U5.1 U5.3 U10.14 | length 30.1
  L 01 w0.15: R42.1@14.873,1.413 14.89,1.43 v1(14.89,2.409) ; R1.1@21.183,1.413 21.2,1.43 v1(21.2,2.409)
  L 01 w0.2: v1(6.475,39.95) 6.485,39.94 R12.1@7.172,39.94
  L 01 w0.3: v1(17.74,9.18) 17.75,9.17 C3.1@18.32,9.17 18.31,9.18 U5.1@18.31,10.57 18.31,11.36 18.59,11.64 19.91,11.64 20.21,11.34 U5.3@20.21,10.57
  L 01 w0.5: J1.20@2.05,2.16 2.099,2.111 C32.2@4.337,2.111 5.261,2.111 v1(5.275,2.125) v1(5.775,2.125) v1(6.275,2.125) ; v1(21.2,2.409) 21.788,1.821 C31.2@22.449,1.821 23.546,1.821 23.885,2.16 J2.20@24.91,2.16
  L 01 w1: J3.39@0.78,2.16 J1.20@2.05,2.16 ; J2.20@24.91,2.15 J4.39@26.18,2.15
  L 06 w0.3: v1(14.89,2.959) 15,3.069 15,8 16.18,9.18 v1(17.74,9.18)
  L 06 w1: J3.39@0.78,2.15 J1.20@2.05,2.15 ; J2.20@24.91,2.16 J4.39@26.18,2.16
  other v1: 21.2,2.959
CCLK: R20.1 U1.A8 | length 1.8
  L 01 w0.15: U1.A8@14.02,29.37 R20.1@14.02,31.158
CLK_100M: U1.L5 U3.3 | length 10.9
  L 01 w0.15: v1@10.6,18.95 v1(10.63,18.98) U1.L5@11.02,19.37
  L 01 w0.3: U3.3@7.337,11.104 8.412,11.104 v1(8.416,11.108)
  L 06 w0.15: v1(8.416,11.108) 10.7,13.392 10.7,17.05 11.15,17.5 11.15,18.46 v1(10.63,18.98)
CS0: U1.P2 U2.A3 | length 6
  L 01 w0.15: U1.P2@8.02,16.37 8.02,15.73 9.79,13.96 9.79,12.45 U2.A3@10.76,11.48
DQ0: U1.P11 U2.D3 | length 7.6
  L 01 w0.15: U2.D3@13.76,11.48 14.21,11.03 14.93,11.03 15.753,11.853 15.753,14.159 17.02,15.426 U1.P11@17.02,16.37
DQ1: U1.P12 U2.D2 | length 9.2
  L 01 w0.15: U2.D2@13.76,10.48 14.25,9.99 15.19,9.99 16.251,11.051 16.251,13.953 18.02,15.722 U1.P12@18.02,16.37
DQ2: U1.N4 U2.C4 | length 6.8
  L 01 w0.15: U1.N4@10.02,17.37 10.51,16.88 10.51,15.946 12.086,14.37 12.78,14.37 13.22,13.93 13.22,12.94 U2.C4@12.76,12.48
DQ3: U1.P10 U2.D4 | length 5.2
  L 01 w0.15: U2.D4@13.76,12.48 14.21,12.93 14.21,13.92 14.656,14.366 15.255,14.366 16.02,15.131 U1.P10@16.02,16.37
DQ4: U1.P5 U2.D5 | length 4.6
  L 01 w0.15: U1.P5@11.02,16.37 11.02,15.84 11.96,14.9 13.02,14.9 13.76,14.16 U2.D5@13.76,13.48
DQ5: U1.N10 U2.E3 | length 6.8
  L 01 w0.15: U2.E3@14.76,11.48 15.504,12.224 15.504,14.263 16.53,15.289 16.53,16.86 U1.N10@16.02,17.37
DQ6: U1.N11 U2.E2 | length 8.4
  L 01 w0.15: U2.E2@14.76,10.48 15.08,10.48 16.002,11.402 16.002,14.056 17.54,15.594 17.54,16.85 U1.N11@17.02,17.37
DQ7: U1.P13 U2.E1 | length 9
  L 01 w0.15: U2.E1@14.76,9.48 15.28,9.48 16.5,10.7 16.5,13.85 U1.P13@19.02,16.37
FTDI_0: R13.2 U1.A13 | length 1.8
  L 01 w0.15: U1.A13@19.02,29.37 R13.2@19.02,31.145
FTDI_1: R14.2 U1.A12 | length 1.8
  L 01 w0.15: U1.A12@18.02,29.37 18.021,29.371 R14.2@18.021,31.145
FTDI_2: R15.2 U1.A5 | length 1.9
  L 01 w0.15: R15.2@10.653,31.155 10.653,30.33 11.02,29.962 U1.A5@11.02,29.37
FTDI_3: R16.2 U1.B5 | length 3
  L 01 w0.15: U1.B5@11.02,28.37 11.534,28.884 R16.2@11.534,31.158